# Allegro board mb1260.brd (continued)
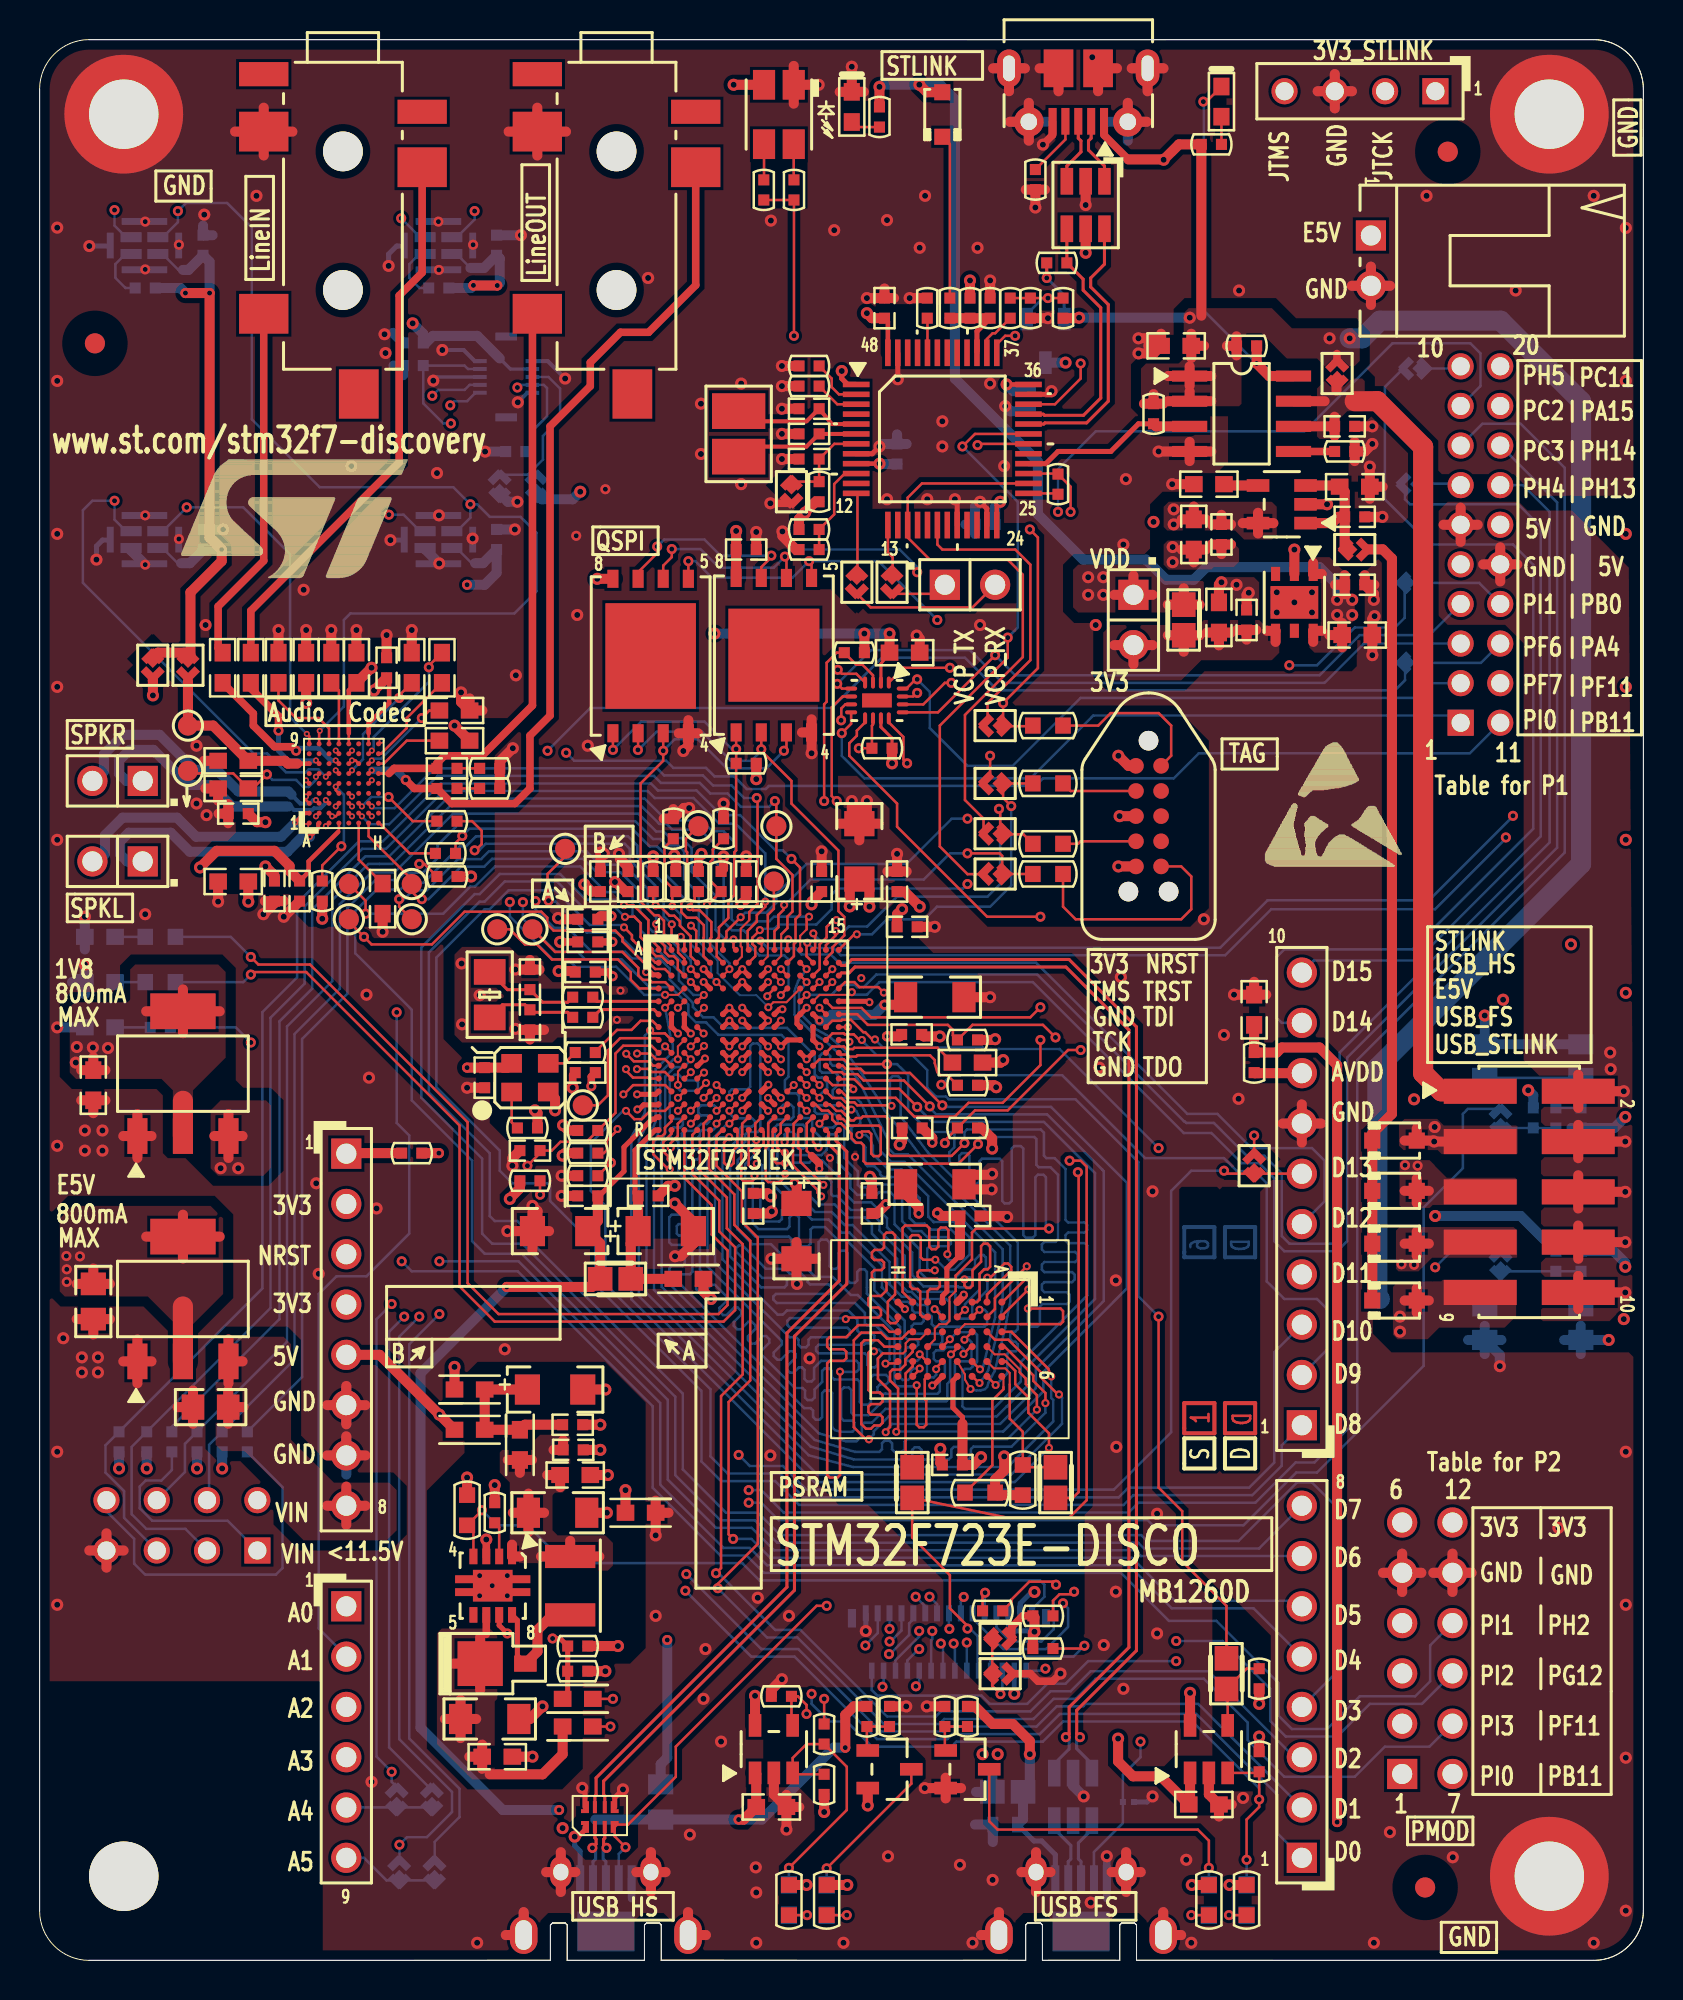
[diagram p0: board, top side]
## Library data of the parts
B1 B2 = TACT_4SM_3R5X5R5
C1 C4-C7 C10 C13 C14 C16 C23 C30 C32 C37 C40-C42 C44 C48 C51-C53 C56 C60 C63 C70 C71 C79-C81 C83-C87 C93 = 0402C: signal model: DEFAULT_CAPACITOR_100000pF_1_2
C2 = 0402C: signal model: DEFAULT_CAPACITOR_10pF_1_2
C3 C17-C19 C21 C22 C24-C26 C28 C29 C31 C35 C50 C54 C77 C78 = 0603C: signal model: DEFAULT_CAPACITOR_100000pF_1_2
C8 C20 = 0603C: signal model: DEFAULT_CAPACITOR_10000pF_1_2
C9 C57 C76 = 0603C: signal model: DEFAULT_CAPACITOR_4.7e+06pF_1_2
C11 = 0603C: signal model: DEFAULT_CAPACITOR_30pF_1_2
C12 C46 C61 = 0402C: signal model: DEFAULT_CAPACITOR_4.7e+06pF_1_2
C15 = 0603C: signal model: DEFAULT_CAPACITOR_20pF_1_2
C27 = 0603C: signal model: DEFAULT_CAPACITOR_1e+07pF_1_2
C33 = 0402C: signal model: DEFAULT_CAPACITOR_2.2e+06pF_2_1
C34 C65-C67 = TAN-A: signal model: DEFAULT_CAPACITOR_100000pF_1_2
C36 C55 = 0402C: signal model: DEFAULT_CAPACITOR_20pF_1_2
C38 C45 = 0402C: signal model: DEFAULT_CAPACITOR_2.2e+06pF_1_2
C39 = 0402C: signal model: DEFAULT_CAPACITOR_1e+07pF_1_2
C43 = 0603C: signal model: DEFAULT_CAPACITOR_2.2e+06pF_2_1
C47 = 0402C: signal model: DEFAULT_CAPACITOR_10000pF_1_2
C49 = 1206C: signal model: DEFAULT_CAPACITOR_4.7e+06pF_1_2
C58 C73 = 1206C: signal model: DEFAULT_CAPACITOR_100000pF_1_2
C59 C62 C69 = 0402C: signal model: DEFAULT_CAPACITOR_1e+06pF_1_2
C64 = TAN-A: signal model: DEFAULT_CAPACITOR_1e+07pF_1_2
C68 = 0805C: signal model: DEFAULT_CAPACITOR_100000pF_1_2
C72 C92 = 0603C: signal model: DEFAULT_CAPACITOR_1e+06pF_1_2
C74 = 0805C: signal model: DEFAULT_CAPACITOR_2.2e+06pF_2_1
C75 = 1206C: signal model: DEFAULT_CAPACITOR_10pF_1_2
C82 = 0402C: signal model: DEFAULT_CAPACITOR_6.7pF_1_2
CN1 = MICRO_USB_B_105017
CN2 = HDR_1X4_2R54
CN3 = HDR_1X2_2R54_RA_11R35
CN4 CN5 = PJ3028B
CN6 CN7 CN10 JP1 = SIP2
CN8 = TSM-105-01-S-DV
CN9 = TC2050-IDC-NL
CN11 = HDR_1X10_2R54_W
CN12 CN13 = HDR_1X8_2R54_W
CN14 = HDR_2X4_2R54
CN15 = HDR_1X6_2R54_W
CN16 = DF37NB-10DS-0R4V
CN17 = FH26-29S-0R3SHW
CN18 CN19 = MOLEX_47590001
D1-D5 = SOD-323
H1 H2 H4 = HOLE_C6D3R5
L1-L5 L7 L8 = 0603L
L6 = 1210L
LD1-LD3 LD5-LD10 = 0603D
LD4 = LED2_3528
P1 = SQT-110-01-F-D-RA
P2 = SSW-106-02-F-D-RA
R1 = 0402R: signal model: DEFAULT_RESISTOR_1000OHM_2_1
R2 R4 R23 R53 R58 R80 R96 R101 = 0402R: signal model: DEFAULT_RESISTOR_0.001OHM_1_2
R3 R5 R24 R25 R31 R42 R44 R52 R54 R59-R61 R67 R68 R70 R76 R77 R85 R90 R94 R97 = 0402R: signal model: DEFAULT_RESISTOR_33OHM_1_2
R6 = 0402R: signal model: DEFAULT_RESISTOR_680OHM_1_2
R7 = 0402R: signal model: DEFAULT_RESISTOR_4870OHM_1_2
R8 R35 R39 R46 = 0402R: signal model: DEFAULT_RESISTOR_50OHM_1_2
R9 = 0402R: signal model: DEFAULT_RESISTOR_47OHM_1_2
R10 = 0402R: signal model: DEFAULT_RESISTOR_1500OHM_1_2
R11-R13 R17 R18 R29 R30 R36 R37 R43 R45 R49-R51 R55-R57 R69 R102 = 0402R: signal model: DEFAULT_RESISTOR_10000OHM_1_2
R14 = 0402R: signal model: DEFAULT_RESISTOR_330OHM_2_1
R15 = 0402R: signal model: DEFAULT_RESISTOR_240OHM_1_2
R16 R21 R26 R74 R75 = 0402R
R19 = 0402R: signal model: DEFAULT_RESISTOR_10000OHM_2_1
R20 R33 R93 = 0402R: signal model: 0402R_33
R22 = 0402R: signal model: DEFAULT_RESISTOR_47000OHM_1_2
R27 R62 R65 R72 = 0603R-GS: signal model: DEFAULT_RESISTOR_10000OHM_1_2
R28 = R0603: signal model: DEFAULT_RESISTOR_0.001OHM_1_2
R32 = R0603: signal model: DEFAULT_RESISTOR_2200OHM_1_2
R38 R40 = R0603: signal model: DEFAULT_RESISTOR_680OHM_1_2
R41 R86 R92 = 0402R: signal model: DEFAULT_RESISTOR_220000OHM_1_2
R47 = 0603R: signal model: 0603R_33
R48 R63 R81 = 0603R: signal model: DEFAULT_RESISTOR_33OHM_1_2
R64 = 0603R-GS: signal model: DEFAULT_RESISTOR_33OHM_1_2
R66 R84 = 0603R: signal model: DEFAULT_RESISTOR_0.001OHM_1_2
R71 R79 R89 R91 = 0402R: signal model: 0603R_[n/a]
R73 = 0402R: signal model: DEFAULT_RESISTOR_820OHM_1_2
R78 = 0402R: signal model: DEFAULT_RESISTOR_100000OHM_1_2
R82 R100 = 0603R
R83 = 0603R: signal model: DEFAULT_RESISTOR_10000OHM_1_2
R95 = 0402R: signal model: 0603R_33
R98 = 0805R: signal model: DEFAULT_RESISTOR_0.001OHM_1_2
R99 = 0603R-GS
SB1 SB2 SB4 SB5 SB10 SB11 SB15 SB16 SB25 SB28 SB33 SB35 SB36 = JP2_SMD
SB3 SB6-SB9 SB12-SB14 SB27 SB29 SB34 SB37 SB38 = JP2_SMD: signal model: SB_0603_Closed
T1-T3 = SOT-23
TP1-TP8 TP11-TP15 = TP_C40
U1 = SOIC8_1R27_4R9X6
U2 = LQFP48_0R5_9X9
U3 = SOT-23-5L
U4 = DFN6_0R95_3X3
U5 = SON8_1R27_6X8
U6 = DFN8_1R27_6X8_TP4R6X5R3
U7 = BGA72_0R5_4R5X4
U8 = BGA176_0R65_10X10
U9 U11 = SOT-223
U10 = FBGA48_0R75_6X8
U12 = SON8_0R65_3X3
U13 U14 = SOT23-5
U15 = QFN8_0R5_2R5X1R2
U16-U19 = MP34DT01TR
U20 = QFN16_0R4_2R5X1R7
U21 U22 = SOT23-6
U23 = D0201_21
U24 = DO_2SM_1R6X1_21
X1 = XTAL_2SM_3R2X2R5_H1
X2 = XTAL_2SM_3R2X1R5
X3 = OSC_4SM_2R5X2
Z1 = DO-216AA

## Footprints (pads in the part's own frame, mm; a bottom-side part is the same pattern mirrored in y, then rotated)
0402C
  rect 0.559x0.559 smd: 1(-0.508,0) 2(0.508,0)
0402R
  rect 0.559x0.559 smd: 1(-0.508,0) 2(0.508,0)
0603C
  rect 0.889x0.813 smd: 1(-0.762,0) 2(0.762,0)
0603D
  rect 0.889x0.813 smd: 1(-0.762,0) 2(0.762,0)
0603L
  rect 0.889x0.813 smd: 1(-0.762,0) 2(0.762,0)
0603R
  rect 0.787x0.813 smd: 1(-0.762,0) 2(0.762,0)
0603R-GS
  rect 1.245x1.194 smd: 1(-0.775,0) 2(0.775,0)
0805C
  rect 1.143x1.27 smd: 1(-0.889,0) 2(0.889,0)
0805R
  rect 1.016x1.27 smd: 1(-0.889,0) 2(0.889,0)
1206C
  rect 1.168x1.524 smd: 1(-1.473,0) 2(1.473,0)
1210L
  rect 1.168x2.54 smd: 1(-1.473,0) 2(1.473,0)
BGA72_0R5_4R5X4
  round 0.249 smd: A1(-2,1.75) A2(-1.5,1.75) A3(-1,1.75) A4(-0.5,1.75) A5(0,1.75) A6(0.5,1.75) A7(1,1.75) A8(1.5,1.75) A9(2,1.75) B1(-2,1.25) B2(-1.5,1.25) B3(-1,1.25) B4(-0.5,1.25) B5(0,1.25) B6(0.5,1.25) B7(1,1.25) B8(1.5,1.25) B9(2,1.25) C1(-2,0.75) C2(-1.5,0.75) C3(-1,0.75) C4(-0.5,0.75) C5(0,0.75) C6(0.5,0.75) C7(1,0.75) C8(1.5,0.75) C9(2,0.75) D1(-2,0.25) D2(-1.5,0.25) D3(-1,0.25) D4(-0.5,0.25) D5(0,0.25) D6(0.5,0.25) D7(1,0.25) D8(1.5,0.25) D9(2,0.25) E1(-2,-0.25) E2(-1.5,-0.25) E3(-1,-0.25) E4(-0.5,-0.25) E5(0,-0.25) E6(0.5,-0.25) E7(1,-0.25) E8(1.5,-0.25) E9(2,-0.25) F1(-2,-0.75) F2(-1.5,-0.75) F3(-1,-0.75) F4(-0.5,-0.75) F5(0,-0.75) F6(0.5,-0.75) F7(1,-0.75) F8(1.5,-0.75) F9(2,-0.75) G1(-2,-1.25) G2(-1.5,-1.25) G3(-1,-1.25) G4(-0.5,-1.25) G5(0,-1.25) G6(0.5,-1.25) G7(1,-1.25) G8(1.5,-1.25) G9(2,-1.25) H1(-2,-1.75) H2(-1.5,-1.75) H3(-1,-1.75) H4(-0.5,-1.75) H5(0,-1.75) H6(0.5,-1.75) H7(1,-1.75) H8(1.5,-1.75) H9(2,-1.75)
BGA176_0R65_10X10
  round 0.305 smd: A1(-4.55,4.55) A2(-3.9,4.55) A3(-3.25,4.55) A4(-2.6,4.55) A5(-1.95,4.55) A6(-1.3,4.55) A7(-0.65,4.55) A8(0,4.55) A9(0.65,4.55) A10(1.3,4.55) A11(1.95,4.55) A12(2.6,4.55) A13(3.25,4.55) A14(3.9,4.55) A15(4.55,4.55) B1(-4.55,3.9) B2(-3.9,3.9) B3(-3.25,3.9) B4(-2.6,3.9) B5(-1.95,3.9) B6(-1.3,3.9) B7(-0.65,3.9) B8(0,3.9) B9(0.65,3.9) B10(1.3,3.9) B11(1.95,3.9) B12(2.6,3.9) B13(3.25,3.9) B14(3.9,3.9) B15(4.55,3.9) C1(-4.55,3.25) C2(-3.9,3.25) C3(-3.25,3.25) C4(-2.6,3.25) C5(-1.95,3.25) C6(-1.3,3.25) C7(-0.65,3.25) C8(0,3.25) C9(0.65,3.25) C10(1.3,3.25) C11(1.95,3.25) C12(2.6,3.25) C13(3.25,3.25) C14(3.9,3.25) C15(4.55,3.25) D1(-4.55,2.6) D2(-3.9,2.6) D3(-3.25,2.6) D4(-2.6,2.6) D5(-1.95,2.6) D6(-1.3,2.6) D7(-0.65,2.6) D8(0,2.6) D9(0.65,2.6) D10(1.3,2.6) D11(1.95,2.6) D12(2.6,2.6) D13(3.25,2.6) D14(3.9,2.6) D15(4.55,2.6) E1(-4.55,1.95) E2(-3.9,1.95) E3(-3.25,1.95) E4(-2.6,1.95) E12(2.6,1.95) E13(3.25,1.95) E14(3.9,1.95) E15(4.55,1.95) F1(-4.55,1.3) F2(-3.9,1.3) F3(-3.25,1.3) F4(-2.6,1.3) F6(-1.3,1.3) F7(-0.65,1.3) F8(0,1.3) F9(0.65,1.3) F10(1.3,1.3) F12(2.6,1.3) F13(3.25,1.3) F14(3.9,1.3) F15(4.55,1.3) G1(-4.55,0.65) G2(-3.9,0.65) G3(-3.25,0.65) G4(-2.6,0.65) G6(-1.3,0.65) G7(-0.65,0.65) G8(0,0.65) G9(0.65,0.65) G10(1.3,0.65) G12(2.6,0.65) G13(3.25,0.65) G14(3.9,0.65) G15(4.55,0.65) H1(-4.55,0) H2(-3.9,0) H3(-3.25,0) H4(-2.6,0) H6(-1.3,0) H7(-0.65,0) H8(0,0) H9(0.65,0) H10(1.3,0) H12(2.6,0) H13(3.25,0) H14(3.9,0) H15(4.55,0) J1(-4.55,-0.65) J2(-3.9,-0.65) J3(-3.25,-0.65) J4(-2.6,-0.65) J6(-1.3,-0.65) J7(-0.65,-0.65) J8(0,-0.65) J9(0.65,-0.65) J10(1.3,-0.65) J12(2.6,-0.65) J13(3.25,-0.65) J14(3.9,-0.65) J15(4.55,-0.65) K1(-4.55,-1.3) K2(-3.9,-1.3) K3(-3.25,-1.3) K4(-2.6,-1.3) K6(-1.3,-1.3) K7(-0.65,-1.3) K8(0,-1.3) K9(0.65,-1.3) K10(1.3,-1.3) K12(2.6,-1.3) K13(3.25,-1.3) K14(3.9,-1.3) K15(4.55,-1.3) L1(-4.55,-1.95) L2(-3.9,-1.95) L3(-3.25,-1.95) L4(-2.6,-1.95) L12(2.6,-1.95) L13(3.25,-1.95) L14(3.9,-1.95) L15(4.55,-1.95) M1(-4.55,-2.6) M2(-3.9,-2.6) M3(-3.25,-2.6) M4(-2.6,-2.6) M5(-1.95,-2.6) M6(-1.3,-2.6) M7(-0.65,-2.6) M8(0,-2.6) M9(0.65,-2.6) M10(1.3,-2.6) M11(1.95,-2.6) M12(2.6,-2.6) M13(3.25,-2.6) M14(3.9,-2.6) M15(4.55,-2.6) N1(-4.55,-3.25) N2(-3.9,-3.25) N3(-3.25,-3.25) N4(-2.6,-3.25) N5(-1.95,-3.25) N6(-1.3,-3.25) N7(-0.65,-3.25) N8(0,-3.25) N9(0.65,-3.25) N10(1.3,-3.25) N11(1.95,-3.25) N12(2.6,-3.25) N13(3.25,-3.25) N14(3.9,-3.25) N15(4.55,-3.25) P1(-4.55,-3.9) P2(-3.9,-3.9) P3(-3.25,-3.9) P4(-2.6,-3.9) P5(-1.95,-3.9) P6(-1.3,-3.9) P7(-0.65,-3.9) P8(0,-3.9) P9(0.65,-3.9) P10(1.3,-3.9) P11(1.95,-3.9) P12(2.6,-3.9) P13(3.25,-3.9) P14(3.9,-3.9) P15(4.55,-3.9) R1(-4.55,-4.55) R2(-3.9,-4.55) R3(-3.25,-4.55) R4(-2.6,-4.55) R5(-1.95,-4.55) R6(-1.3,-4.55) R7(-0.65,-4.55) R8(0,-4.55) R9(0.65,-4.55) R10(1.3,-4.55) R11(1.95,-4.55) R12(2.6,-4.55) R13(3.25,-4.55) R14(3.9,-4.55) R15(4.55,-4.55)
D0201_21
  rect 0.305x0.305 smd: 1(-0.28,0) 2(0.28,0)
DF37NB-10DS-0R4V
  rect 0.203x0.686 smd: 1(0.8,-1.325) 2(0.4,-1.325) 3(0,-1.325) 4(-0.4,-1.325) 5(-0.8,-1.325) 6(-0.8,1.325) 7(-0.4,1.325) 8(0,1.325) 9(0.4,1.325) 10(0.8,1.325)
  rect 0.406x1.092 smd: 11(-2.04,0) 12(2.04,0)
DFN6_0R95_3X3
  rect 0.457x0.711 smd: 1(-0.95,-1.436) 2(0,-1.436) 3(0.95,-1.436) 4(0.95,1.436) 5(0,1.436) 6(-0.95,1.436)
  rect 2.413x1.651 smd: 7(0,0)
DFN8_1R27_6X8_TP4R6X5R3
  rect 0.559x0.914 smd: 1(-1.905,-3.9) 2(-0.635,-3.9) 3(0.635,-3.9) 4(1.905,-3.9) 5(1.905,3.9) 6(0.635,3.9) 7(-0.635,3.9) 8(-1.905,3.9)
  rect 4.572x5.334 smd: 9(0,0)
DO-216AA
  rect 1.143x0.813 smd: 1(0,0)
  rect 2.286x2.261 smd: 2(-2.286,0)
DO_2SM_1R6X1_21
  rect 0.559x0.787 smd: 1(-0.625,0) 2(0.625,0)
FBGA48_0R75_6X8
  round 0.356 smd: A1(-1.875,2.625) A2(-1.125,2.625) A3(-0.375,2.625) A4(0.375,2.625) A5(1.125,2.625) A6(1.875,2.625) B1(-1.875,1.875) B2(-1.125,1.875) B3(-0.375,1.875) B4(0.375,1.875) B5(1.125,1.875) B6(1.875,1.875) C1(-1.875,1.125) C2(-1.125,1.125) C3(-0.375,1.125) C4(0.375,1.125) C5(1.125,1.125) C6(1.875,1.125) D1(-1.875,0.375) D2(-1.125,0.375) D3(-0.375,0.375) D4(0.375,0.375) D5(1.125,0.375) D6(1.875,0.375) E1(-1.875,-0.375) E2(-1.125,-0.375) E3(-0.375,-0.375) E4(0.375,-0.375) E5(1.125,-0.375) E6(1.875,-0.375) F1(-1.875,-1.125) F2(-1.125,-1.125) F3(-0.375,-1.125) F4(0.375,-1.125) F5(1.125,-1.125) F6(1.875,-1.125) G1(-1.875,-1.875) G2(-1.125,-1.875) G3(-0.375,-1.875) G4(0.375,-1.875) G5(1.125,-1.875) G6(1.875,-1.875) H1(-1.875,-2.625) H2(-1.125,-2.625) H3(-0.375,-2.625) H4(0.375,-2.625) H5(1.125,-2.625) H6(1.875,-2.625)
FH26-29S-0R3SHW
  rect 0.406x0.94 smd: (-4.9,-1.2) (4.9,-1.2)
  rect 0.305x0.813 smd: 1(-4.2,-1.45) 3(-3.6,-1.45) 5(-3,-1.45) 7(-2.4,-1.45) 9(-1.8,-1.45) 11(-1.2,-1.45) 13(-0.6,-1.45) 15(0,-1.45) 17(0.6,-1.45) 19(1.2,-1.45) 21(1.8,-1.45) 23(2.4,-1.45) 25(3,-1.45) 27(3.6,-1.45) 29(4.2,-1.45)
  rect 0.279x0.813 smd: 2(-3.9,1.45) 4(-3.3,1.45) 6(-2.7,1.45) 8(-2.1,1.45) 10(-1.5,1.45) 12(-0.9,1.45) 14(-0.3,1.45) 16(0.3,1.45) 18(0.9,1.45) 20(1.5,1.45) 22(2.1,1.45) 24(2.7,1.45) 26(3.3,1.45) 28(3.9,1.45)
HDR_1X2_2R54_RA_11R35
  rect 1.524x1.524 hole 1.016: 1(0,0)
  round 1.524 hole 1.016: 2(-2.54,0)
HDR_1X4_2R54
  rect 1.321x1.321 hole 0.914: 1(0,0)
  round 1.321 hole 0.914: 2(2.54,0) 3(5.08,0) 4(7.62,0)
HDR_1X6_2R54_W
  rect 1.524x1.524 hole 1.016: 1(0,0)
  round 1.524 hole 1.016: 2(2.54,0) 3(5.08,0) 4(7.62,0) 5(10.16,0) 6(12.7,0)
HDR_1X8_2R54_W
  rect 1.524x1.524 hole 1.016: 1(0,0)
  round 1.524 hole 1.016: 2(2.54,0) 3(5.08,0) 4(7.62,0) 5(10.16,0) 6(12.7,0) 7(15.24,0) 8(17.78,0)
HDR_1X10_2R54_W
  rect 1.524x1.524 hole 1.016: 1(0,0)
  round 1.524 hole 1.016: 2(2.54,0) 3(5.08,0) 4(7.62,0) 5(10.16,0) 6(12.7,0) 7(15.24,0) 8(17.78,0) 9(20.32,0) 10(22.86,0)
HDR_2X4_2R54
  rect 1.321x1.321 hole 0.914: 1(0,0)
  round 1.321 hole 0.914: 2(0,2.54) 3(2.54,0) 4(2.54,2.54) 5(5.08,0) 6(5.08,2.54) 7(7.62,0) 8(7.62,2.54)
HOLE_C6D3R5
  round 5.994 hole 3.505: 1(0,0)
JP2_SMD
  round 0.152 smd: 1(-0.584,-0.008) 2(0.402,-0.03)
LED2_3528
  rect 1.118x1.499 smd: 1(-0.75,-1.5) 2(-0.75,1.5) 3(0.75,1.5) 4(0.75,-1.5)
LQFP48_0R5_9X9
  rect 1.346x0.279 smd: 1(-4.35,2.75) 2(-4.35,2.25) 3(-4.35,1.75) 4(-4.35,1.25) 5(-4.35,0.75) 6(-4.35,0.25) 7(-4.35,-0.25) 8(-4.35,-0.75) 9(-4.35,-1.25) 10(-4.35,-1.75) 11(-4.35,-2.25) 12(-4.35,-2.75) 25(4.35,-2.75) 26(4.35,-2.25) 27(4.35,-1.75) 28(4.35,-1.25) 29(4.35,-0.75) 30(4.35,-0.25) 31(4.35,0.25) 32(4.35,0.75) 33(4.35,1.25) 34(4.35,1.75) 35(4.35,2.25) 36(4.35,2.75)
  rect 0.279x1.346 smd: 13(-2.75,-4.35) 14(-2.25,-4.35) 15(-1.75,-4.35) 16(-1.25,-4.35) 17(-0.75,-4.35) 18(-0.25,-4.35) 19(0.25,-4.35) 20(0.75,-4.35) 21(1.25,-4.35) 22(1.75,-4.35) 23(2.25,-4.35) 24(2.75,-4.35) 37(2.75,4.35) 38(2.25,4.35) 39(1.75,4.35) 40(1.25,4.35) 41(0.75,4.35) 42(0.25,4.35) 43(-0.25,4.35) 44(-0.75,4.35) 45(-1.25,4.35) 46(-1.75,4.35) 47(-2.25,4.35) 48(-2.75,4.35)
MICRO_USB_B_105017
  rect 0.406x1.346 smd: 1(-1.3,0.075) 2(-0.65,0.075) 3(0,0.075) 4(0.65,0.075) 5(1.3,0.075)
  oval 1.194x1.905 hole 0.61x1.295: 6(-3.5,-2.6) 7(3.5,-2.6)
  round 1.499 hole 0.838: 8(-2.5,0.1) 9(2.5,0.1)
  rect 1.499x1.905 smd: 10(-1,-2.6) 11(1,-2.6)
MOLEX_47590001
  rect 0.406x1.346 smd: 1(1.3,0) 2(0.65,0) 3(0,0) 4(-0.65,0) 5(-1.3,0)
  oval 1.067x1.6 hole 0.762x0.838: 6(2.275,0.325) 7(-2.275,0.325)
  oval 1.397x1.905 hole 0.838x1.499: 8(-4.15,-2.855) 9(4.15,-2.855)
  rect 2.896x2.007 smd: 10(0,-2.675)
MP34DT01TR
  rect 0.508x1.067 smd: 1(-0.425,0.675) 2(-0.425,-0.675) 3(0.425,-0.675) 4(0.425,0.675)
  round 0.152 smd: 5(-0.025,-1.753)
OSC_4SM_2R5X2
  rect 1.041x0.94 smd: 1(-0.925,-0.725) 2(0.925,-0.725) 3(0.925,0.725) 4(-0.925,0.725)
PJ3028B
  round 2.007 hole 2.007 unplated: (0,0) (7,0)
  rect 1.219x2.489 smd: 2(-3.9,-4) 7(-2,4)
  rect 2.007x2.489 smd: 3(-1,-4) 4(0.8,4) 6(8.2,-4)
  rect 2.489x2.007 smd: 5(12.25,0.8)
QFN8_0R5_2R5X1R2
  custom 0.4x0.6 smd: 1(-0.75,-0.5) 4(0.75,-0.5) 5(0.75,0.5) 8(-0.75,0.5)
  rect 0.203x0.61 smd: 2(-0.25,-0.5) 3(0.25,-0.5) 6(0.25,0.5) 7(-0.25,0.5)
QFN16_0R4_2R5X1R7
  oval 0.203x0.61 smd: 1(-0.6,-0.905) 2(-0.2,-0.905) 3(0.2,-0.905) 4(0.6,-0.905) 9(0.6,0.905) 10(0.2,0.905) 11(-0.2,0.905) 12(-0.6,0.905)
  oval 0.61x0.203 smd: 5(1.305,-0.6) 6(1.305,-0.2) 7(1.305,0.2) 8(1.305,0.6) 13(-1.305,0.6) 14(-1.305,0.2) 15(-1.305,-0.2) 16(-1.305,-0.6)
  rect 1.499x0.711 smd: 17(0,0)
R0603
  rect 0.787x0.813 smd: 1(-0.762,0) 2(0.762,0)
SIP2
  rect 1.524x1.524 hole 1.016: 1(0,0)
  round 1.524 hole 1.016: 2(2.54,0)
SOD-323
  rect 0.813x0.813 smd: 1(1.125,0) 2(-1.125,0)
SOIC8_1R27_4R9X6
  rect 0.559x1.778 smd: 1(-1.905,-2.624) 2(-0.635,-2.624) 3(0.635,-2.624) 4(1.905,-2.624) 5(1.905,2.624) 6(0.635,2.624) 7(-0.635,2.624) 8(-1.905,2.624)
SON8_0R65_3X3
  rect 0.406x0.787 smd: 1(-0.975,-1.475) 2(-0.325,-1.475) 3(0.325,-1.475) 4(0.975,-1.475) 5(0.975,1.475) 6(0.325,1.475) 7(-0.325,1.475) 8(-0.975,1.475)
  custom 3.8x1.6 smd: 9(0,0)
SON8_1R27_6X8
  rect 0.559x0.914 smd: 1(-1.905,-3.9) 2(-0.635,-3.9) 3(0.635,-3.9) 4(1.905,-3.9) 5(1.905,3.9) 6(0.635,3.9) 7(-0.635,3.9) 8(-1.905,3.9)
  rect 4.597x4.699 smd: 9(0,0)
SOT23-5
  rect 0.635x1.143 smd: 1(-0.95,-1.2) 2(0,-1.2) 3(0.95,-1.2) 4(0.95,1.2) 5(-0.95,1.2)
SOT23-6
  rect 0.635x1.346 smd: 1(-0.95,-1.2) 2(0,-1.2) 3(0.95,-1.2) 4(0.95,1.2) 5(0,1.2) 6(-0.95,1.2)
SOT-23
  rect 1.143x0.635 smd: 1(1.1,-0.95) 2(1.1,0.95) 3(-1.1,0)
SOT-23-5L
  rect 0.635x1.143 smd: 1(-0.95,-1.2) 2(0,-1.2) 3(0.95,-1.2) 4(0.95,1.2) 5(-0.95,1.2)
SOT-223
  rect 1.803x1.016 smd: 1(3.15,-2.3) 2(3.15,0) 3(3.15,2.3)
  rect 1.803x3.302 smd: 4(-3.15,0)
SQT-110-01-F-D-RA
  rect 1.321x1.321 hole 0.914: 1(9,1)
  round 1.321 hole 0.914: 2(7,1) 3(5,1) 4(3,1) 5(1,1) 6(-1,1) 7(-3,1) 8(-5,1) 9(-7,1) 10(-9,1) 11(9,-1) 12(7,-1) 13(5,-1) 14(3,-1) 15(1,-1) 16(-1,-1) 17(-3,-1) 18(-5,-1) 19(-7,-1) 20(-9,-1)
SSW-106-02-F-D-RA
  rect 1.524x1.524 hole 1.016: 1(0,0)
  round 1.524 hole 1.016: 2(-2.54,0) 3(-5.08,0) 4(-7.62,0) 5(-10.16,0) 6(-12.7,0) 7(0,-2.54) 8(-2.54,-2.54) 9(-5.08,-2.54) 10(-7.62,-2.54) 11(-10.16,-2.54) 12(-12.7,-2.54)
TACT_4SM_3R5X5R5
  rect 1.016x1.27 smd: 1(0.85,-2.425) 2(-0.85,-2.425) 3(0.85,2.425) 4(-0.85,2.425)
TAN-A
  rect 1.27x1.524 smd: 1(1.397,0) 2(-1.397,0)
TC2050-IDC-NL
  round 0.991 hole 0.991 unplated: (-3.81,0) (3.81,1.015) (3.81,-1.015)
  round 0.787 smd: 1(-2.54,-0.635) 2(-1.27,-0.635) 3(0,-0.635) 4(1.27,-0.635) 5(2.54,-0.635) 6(2.54,0.635) 7(1.27,0.635) 8(0,0.635) 9(-1.27,0.635) 10(-2.54,0.635)
TP_C40
  round 1.016 smd: 1(0,0)
TSM-105-01-S-DV
  rect 1.27x3.683 smd: 1(-5.08,-2.475) 2(-5.08,2.475) 3(-2.54,-2.475) 4(-2.54,2.475) 5(0,-2.475) 6(0,2.475) 7(2.54,-2.475) 8(2.54,2.475) 9(5.08,-2.475) 10(5.08,2.475)
unnamed#2
  round 1.016 smd: (0,0)
XTAL_2SM_3R2X1R5
  rect 1.295x1.6 smd: 1(-1.15,0) 2(1.15,0)
XTAL_2SM_3R2X2R5_H1
  rect 1.803x2.692 smd: 1(-1.15,0) 2(1.15,0)

## Nets
1V8: C20.1 C23.1 C42.1 C57.2 U7.D1 U7.D8 U7.G9 U9.2 U9.4
3V3: B1.1 B1.3 C2.1 C13.2 C15.2 C16.2 C22.1 C33.1 C35.2 C41.1 C55.2 C63.2 C71.2 C92.1 CN12.2 CN12.4 CN14.2 CN16.9 CN17.26 JP1.2 L2.1 P2.6 P2.12 R27.2 R30.2 R41.1 R42.1 R43.1 R44.1 R45.1 R46.2 R52.1 R55.1 R56.2 R57.2 R59.2 R60.2 R63.2 R71.1 R73.2 R79.2 R80.1 R81.1 R82.2 R83.2 R84.2 R91.2 R93.1 R94.1 R95.1 R96.1 R100.2 R102.2 SB1.1 SB4.2 U4.4 U5.8 U6.8 U7.B2 U7.C2 U7.D2 U7.E9 U9.3 U10.D6 U10.E1 U20.2 X3.4
3V3_ST_LINK: C1.1 C11.2 C12.2 C81.2 C82.2 C83.2 CN2.1 CN9.1 LD4.4 R5.2 R24.2 R25.1 T3.3 U2.1 U2.9 U2.24 U2.36 U2.48 U3.5
5V: C14.2 C17.2 CN8.2 CN8.4 CN8.6 CN8.8 CN8.10 CN12.5 D1.1 L3.1 P1.6 P1.15 R1.1 U4.1 U4.6 U13.5 U14.5
5V_ST_LINK: C5.2 CN8.1 SB3.2 U1.6 U1.7
5V_USB_FS: CN8.7 D3.1 R99.2
5V_USB_HS: C78.1 CN8.3 CN19.1 D5.1 R74.2 R98.2 U13.1 U15.1
5V_USB_ST_LINK: C3.2 CN1.1 CN8.9 D2.1 R2.2 R11.1 R15.2 R20.2 SB3.1 U1.1 U1.2 U21.5
GND: B2.2 B2.4 C1.2 C2.2 C3.1 C4.1 C5.1 C6.1 C7.1 C8.1 C9.1 C10.1 C11.1 C12.1 C13.1 C14.1 C15.1 C16.1 C17.1 C19.1 C20.2 C21.2 C22.2 C23.2 C24.2 C26.2 C28.2 C29.1 C31.1 C33.2 C34.2 C35.1 C36.1 C37.1 C38.1 C39.1 C40.1 C41.2 C42.2 C43.1 C44.1 C45.1 C46.1 C47.1 C48.1 C49.1 C50.1 C51.1 C52.1 C53.1 C54.2 C55.1 C56.1 C57.1 C58.1 C59.1 C60.1 C61.1 C62.1 C63.1 C64.2 C65.2 C66.2 C68.1 C71.1 C74.1 C77.2 C78.2 C79.2 C80.2 C81.1 C82.1 C83.1 C84.2 C85.2 C86.1 C87.1 C92.2 C93.1 CN1.5 CN1.6 CN1.7 CN1.8 CN1.9 CN1.10 CN1.11 CN2.3 CN3.2 CN4.3 CN5.3 CN9.3 CN9.5 CN11.7 CN12.6 CN12.7 CN14.7 CN16.1 CN16.3 CN16.6 CN16.10 CN17.1 CN17.27 CN18.5 CN18.6 CN18.7 CN18.8 CN18.9 CN18.10 CN19.5 CN19.6 CN19.7 CN19.8 CN19.9 CN19.10 H1.1 H2.1 H4.1 L5.1 LD1.2 LD2.2 LD4.1 LD5.2 LD6.2 P1.5 P1.16 P2.5 P2.11 R3.1 R6.1 R8.1 R9.1 R16.1 R17.1 R18.1 R19.1 R21.1 R22.2 R26.1 R29.1 R31.2 R33.2 R36.1 R37.1 R54.2 R61.1 R75.2 R76.1 R89.1 SB2.2 SB6.1 SB16.1 T1.2 T2.2 U1.4 U2.8 U2.20 U2.23 U2.35 U2.47 U3.2 U4.2 U4.7 U5.4 U6.4 U7.A1 U7.A3 U7.A4 U7.A5 U7.C1 U7.D6 U7.E2 U7.E7 U7.E8 U7.F7 U7.G5 U7.H9 U8.D5 U8.D7 U8.D8 U8.D9 U8.F2 U8.F6 U8.F7 U8.F8 U8.F9 U8.F10 U8.F12 U8.G2 U8.G6 U8.G7 U8.G8 U8.G9 U8.G10 U8.G12 U8.H6 U8.H7 U8.H8 U8.H9 U8.H10 U8.H12 U8.J6 U8.J7 U8.J8 U8.J9 U8.J10 U8.K6 U8.K7 U8.K8 U8.K9 U8.K10 U8.M1 U8.M8 U8.M9 U8.N1 U9.1 U10.D1 U10.E6 U10.H1 U11.1 U13.2 U14.2 U15.5 U15.8 U16.5 U17.5 U18.2 U18.5 U19.2 U19.5 U20.11 U21.2 U22.2 U23.2 U24.2 X3.2
V12_OTGPHY: C54.1 U8.J14
VDD: C34.1 C36.2 C37.2 C38.2 C39.2 C40.2 C44.2 C45.2 C46.2 C47.2 C52.2 C53.2 C56.2 C61.2 C62.2 C66.1 CN17.25 JP1.1 L1.1 R27.1 R68.1 R70.1 SB15.1 U8.C1 U8.C5 U8.C7 U8.C8 U8.C9 U8.F3 U8.G3 U8.G13 U8.H13 U8.J12 U8.J13 U8.K4 U8.N8 U8.N9 U8.N10
VDDA: C60.2 C65.1 L1.2 R62.2 U8.R1
VIN: C74.2 CN12.8 U11.3
AIN_1: R25.2 R26.2 U2.10
ARD_A0: CN15.1 U8.P3
ARD_A1: CN15.2 SB28.2 U8.N4
ARD_A2: CN15.3 U8.N5
ARD_A3: CN15.4 U8.L1
ARD_A4: SB35.1 U8.M2
ARD_A5: SB37.1 U8.M3
ARD_D0: CN13.1 U8.R2
ARD_D1: CN13.2 U8.P2
ARD_D2: CN13.3 U8.P5
ARD_D3: CN13.4 U8.B2
ARD_D4: CN13.5 U8.G4
ARD_D5: CN13.6 SB29.2 U8.R5
ARD_D6: CN13.7 U8.B3
ARD_D7: CN13.8 U8.A1
ARD_D8: CN11.1 U8.B1
ARD_D9: CN11.2 U8.M11
ARD_D10: CN11.3 U8.N2
ARD_D11: CN11.4 U8.A6
ARD_D12: CN11.5 U8.A9
ARD_D13: CN11.6 SB14.2 U8.P4
ARD_D14: CN11.9 R59.1 SB27.1 SB36.1 U8.J4
ARD_D15: CN11.10 R60.1 SB25.1 SB38.1 U8.H4
BLGND: C67.2 C69.1 C70.1 C72.1 C73.1 C75.1 C76.1 L5.2 R66.1 R67.1 R69.1 U12.3 U12.9
BOOT0: R36.2 R43.2 U8.D6
BYPASSREG: R61.2 U8.L4
CTP_INT: CN16.2 R21.2 U8.D3
CTP_RST: CN16.7 R18.2 U8.M13
CTP_SCL: CN16.5 R52.2 U8.F15
CTP_SDA: CN16.4 R56.1 U8.M12
DMIC_VDD: C79.1 C80.1 C84.1 C85.1 R85.2 R86.2 SB1.2 SB5.2 U16.1 U17.1 U18.1 U19.1
DMICCLK: U7.C6 U16.3 U17.3 U18.3 U19.3
DMICDAT1: U7.B9 U17.4 U18.4
DMICDAT2: U7.A9 U16.4 U19.4
E5V: C68.2 CN3.1 CN8.5 D4.1 R58.2 U11.2 U11.4
LCD-RS_A0: CN17.21 R101.2
LCD_BL: L7.1 U8.L12
LCD_NE: CN17.22 R70.2 U8.C10
LCD_PSRAM_D0: CN17.18 U8.M14 U10.B6
LCD_PSRAM_D1: CN17.17 U8.L14 U10.C5
LCD_PSRAM_D2: CN17.16 U8.B12 U10.C6
LCD_PSRAM_D3: CN17.15 U8.C12 U10.D5
LCD_PSRAM_D4: CN17.14 U8.R8 U10.E5
LCD_PSRAM_D5: CN17.13 U8.P8 U10.F5
LCD_PSRAM_D6: CN17.12 U8.P9 U10.F6
LCD_PSRAM_D7: CN17.11 U8.R9 U10.G6
LCD_PSRAM_D8: CN17.10 U8.P10 U10.B1
LCD_PSRAM_D9: CN17.9 U8.R10 U10.C1
LCD_PSRAM_D10: CN17.8 U8.N11 U10.C2
LCD_PSRAM_D11: CN17.7 U8.P11 U10.D2
LCD_PSRAM_D12: CN17.6 U8.R11 U10.E2
LCD_PSRAM_D13: CN17.5 U8.P15 U10.F2
LCD_PSRAM_D14: CN17.4 U8.P14 U10.F1
LCD_PSRAM_D15: CN17.3 U8.N15 U10.G1
LCD_PSRAM_NOE: CN17.19 U8.D10 U10.A2
LCD_PSRAM_NWE: CN17.20 R64.1 U8.C11
LCD_RST: CN17.23 R68.2 U8.N12
LCD_TE_INT: CN17.2 U8.G14
LED_STLINK: R13.1 R14.1 U2.30
LEDA: CN17.28 L8.2
LEDK: CN17.29 R66.2 U12.4
MIC_VDD1: C29.2 SB5.1 TP1.1 U7.A7
MIC_VDD2: C31.2 TP2.1 U7.B6
NC1: TP3.1 U8.B5
NC4: TP5.1 U8.B9
NC8: TP14.1 U8.D2
NC10: TP8.1 U8.E4
NC11: TP13.1 U8.D1
NETB1_2: B1.2 B1.4 R89.2 R90.2
NETB2_1: B2.1 B2.3 C87.2 R91.1 SB34.2
NETC8_2: C8.2 U3.4
NETC9_2: C9.2 C10.2 SB7.2 U3.1 U3.3
NETC18_1: C18.1 U7.B7
NETC18_2: C18.2 CN4.4
NETC19_2: C19.2 U7.C9
NETC21_1: C21.1 U7.D9
NETC24_1: C24.1 U7.E6
NETC25_1: C25.1 U7.H8
NETC25_2: C25.2 U7.G8
NETC26_1: C26.1 U7.G7
NETC27_1: C27.1 U7.D7
NETC27_2: C27.2 CN4.6
NETC28_1: C28.1 U7.H7
NETC30_1: C30.1 CN5.6 U7.H6
NETC30_2: C30.2 R31.1
NETC32_1: C32.1 CN5.4 U7.G6
NETC32_2: C32.2 R33.1
NETC43_2: C43.2 U7.F1
NETC48_2: C48.2 R49.1 X2.1
NETC51_2: C51.2 R50.1 X2.2
NETC67_1: C67.1 C69.2 L2.2 L3.2 L4.1
NETC75_2: C75.2 C76.2 L8.1 U12.6 Z1.2
NETC86_2: C86.2 R90.1 SB33.2
NETCN7_1: CN7.1 U7.C3
NETCN7_2: CN7.2 U7.B3
NETCN10_1: CN10.1 U7.B1
NETCN10_2: CN10.2 U7.A2
NETCN11_8: CN11.8 R53.1
NETCN12_1: CN12.1 R58.1
NETCN14_1: CN14.1 R92.2
NETCN14_8: CN14.8 R97.1
NETCN15_5: CN15.5 SB35.2 SB36.2
NETCN15_6: CN15.6 SB37.2 SB38.2
NETCN16_8: CN16.8 SB2.1 SB4.1
NETCN17_24: CN17.24 SB15.2 SB16.2
NETD1_2: D1.2 R4.2
NETD2_2: D2.2 D3.2 D4.2 D5.2 SB7.1
NETL6_2: L6.2 U12.8 Z1.1
NETL7_2: L7.2 R69.2 R71.2 U12.7
NETLD1_1: LD1.1 R12.1
NETLD2_1: LD2.1 R1.2
NETLD3_1: LD3.1 R2.1
NETLD3_2: LD3.2 R15.1 U1.8
NETLD4_2: LD4.2 R14.2
NETLD4_3: LD4.3 R13.2
NETLD5_1: LD5.1 R47.2
NETLD6_1: LD6.1 R48.2
NETLD7_1: LD7.1 R81.2
NETLD7_2: LD7.2 R78.1 R80.2 U13.3
NETLD8_1: LD8.1 R82.1
NETLD8_2: LD8.2 T1.3
NETLD9_1: LD9.1 R83.1
NETLD9_2: LD9.2 T2.3
NETLD10_1: LD10.1 R84.1
NETR3_2: R3.2 U2.44
NETR7_1: R7.1 R8.2 R11.2 T3.1
NETR10_1: R10.1 T3.2
NETR12_2: R12.2 SB14.1
NETR17_2: R17.2 U2.2
NETR19_2: R19.2 U2.3
NETR22_1: R22.1 U1.5
NETR35_2: R35.2 U7.F3
NETR39_2: R39.2 U7.H1
NETR41_2: R41.2 U7.G2
NETR46_1: R46.1 U7.D4 U7.D5
NETR55_2: R55.2 X3.1
NETR63_1: R63.1 R65.2 U10.B5
NETR64_2: R64.2 U10.G5
NETR67_2: R67.2 U12.2
NETR72_2: R72.2 R73.1 U14.4
NETR74_1: R74.1 R75.1 T1.1
NETR76_2: R76.2 R77.1 T2.1
NETR85_1: R85.1 U16.2
NETR86_1: R86.1 U17.2
NETR100_1: R100.1 U10.A6
NRST: C93.2 CN12.3 R28.2 R57.1 SB10.2 SB34.1 U8.J1
OSC_25M: R51.1 X3.3
OSC_IN: C4.2 U2.5 X1.2
OSC_OUT: C6.2 U2.6 X1.1
PC14-OSC32_IN: R49.2 U8.E1
PC15-OSC32_OUT: R50.2 U8.F1
PDRON: R37.2 R45.2 U8.C6
PH0-OSCIN: R51.2 U8.G1
PH1-OSCOUT: TP15.1 U8.H1
PMOD#1: P1.1 P2.1 U20.8
PMOD#2: P1.2 P2.2 U20.16
PMOD#3: P1.3 P2.3 U20.5
PMOD#4: P1.4 P2.4 U20.13
PMOD_GPIO_0: P2.9 U8.B8
PMOD_GPIO_1: P2.10 U8.F4
PMOD_INT: P1.11 P2.7 U8.R13
PMOD_RESET: P1.12 P2.8 U8.R6
PMOD_SEL_0: R102.1 U8.D13 U20.3
PMOD_SEL_1: R29.2 U8.E3 U20.10
PMOD_SPI2_MISO: U8.C14 U20.6
PMOD_SPI2_MOSI: U8.C13 U20.1
PMOD_SPI2_NSS: U8.E14 U20.9
PMOD_SPI2_SCK: U8.D14 U20.14
PMOD_UART7_CTS: U8.L2 U20.7
PMOD_UART7_RTS: U8.L3 U20.12
PMOD_UART7_RXD: U8.K2 U20.4
PMOD_UART7_TXD: U8.K1 U20.15
PSRAM_A0: R101.1 U8.E2 U10.A3
PSRAM_A1: U8.H3 U10.A4
PSRAM_A2: U8.H2 U10.A5
PSRAM_A3: U8.J2 U10.B3
PSRAM_A4: U8.J3 U10.B4
PSRAM_A5: U8.K3 U10.C3
PSRAM_A6: U8.P6 U10.C4
PSRAM_A7: U8.N6 U10.D4
PSRAM_A8: U8.R7 U10.H2
PSRAM_A9: U8.P7 U10.H3
PSRAM_A10: U8.N7 U10.H4
PSRAM_A11: U8.M7 U10.H5
PSRAM_A12: U8.L15 U10.G3
PSRAM_A13: U8.K15 U10.G4
PSRAM_A14: U8.K14 U10.F3
PSRAM_A15: U8.K13 U10.F4
PSRAM_A16: U8.N14 U10.E4
PSRAM_A17: U8.N13 U10.D3
PSRAM_NBL0: U8.A4 U10.A1
PSRAM_NBL1: U8.A3 U10.B2
PSRAM_NE1: R65.1 U8.A11
PWR_ENN: R20.1 U1.3 U2.28
PWR_EXT: R4.1 R5.1 R6.2 U2.39
QSPI_CLK: U5.6 U6.6 U8.M6
QSPI_D0: U5.5 U6.5 U8.F14
QSPI_D1: U5.2 U6.2 U8.B14
QSPI_D2: U5.3 U6.3 U8.A2
QSPI_D3: U5.7 U6.7 U8.M15
QSPI_NCS: R30.1 U5.1 U6.1 U8.B6
REXT_OTGPHY: R54.1 U8.J15
SAI2_FS_A: TP11.1 U7.E3 U8.C2
SAI2_I2C1_SCL: R39.1 R44.2 U8.A5
SAI2_I2C1_SDA: R35.1 R42.2 U8.B4
SAI2_INT: U7.G3 U8.B7
SAI2_MCLK_A: TP6.1 U7.D3 U8.D4
SAI2_SCK_A: TP7.1 U7.G1 U8.C4
SAI2_SD_A: TP12.1 U7.E4 U8.C3
SAI2_SD_B: TP4.1 U7.F2 U8.B10
STLINK_RX: SB9.2 U2.13
STLINK_TX: SB8.2 U2.12
STM_JTCK: CN2.2 U2.37
STM_JTMS: CN2.4 U2.34
STM_RST: C7.2 R24.1 SB6.2 U2.7
STMOD+_ADC_DAC: P1.13 SB28.1
STMOD+_I2C2_SCL: P1.7 SB25.2
STMOD+_I2C2_SDA: P1.10 SB27.2
STMOD+_SPI2_MISOS: P1.9 U8.M4
STMOD+_SPI2_MOSIS: P1.8 U8.M5
STMOD+_TIM2_CH1: P1.19 U8.A13
STMOD+_TIM3_CH3: P1.14 SB29.1
STMOD+_UART4_RXD: P1.18 U8.E13
STMOD+_UART4_RXD_S: P1.20 U8.B13
STMOD+_UART4_TXD: P1.17 U8.E12
SYS_B_USER: SB33.1 U8.N3
SYS_LD_USER1: R47.1 U8.R3
SYS_LD_USER2: R48.1 U8.R4
SYS_STLINK_JTCK: R38.2 SB12.2 U8.A14
SYS_STLINK_JTDO-SWO: R40.2 SB13.2 U8.A10
SYS_STLINK_JTMS: R32.2 SB11.2 U8.A15
T_JTCK: SB12.1 U2.15 U2.26
T_JTMS: R23.1 SB11.1 U2.27
T_NRST: SB10.1 U2.18
T_SWDIO_IN: R23.2 U2.25
T_SWO: SB13.1 U2.31
TAG_NRST: CN9.10 R28.1
TAG_SWCLK: CN9.4 R38.1
TAG_SWDIO: CN9.2 R32.1
TAG_SWO: CN9.6 R40.1
USB_OTGFS_CN_N: CN18.2 U22.6
USB_OTGFS_CN_P: CN18.3 U22.4
USB_OTGFS_ID: CN18.4 U8.D15 U23.1
USB_OTGFS_N: U8.C15 U22.1
USB_OTGFS_OVCR: LD10.2 R79.1 U8.R12 U14.3
USB_OTGFS_P: U8.B15 U22.3
USB_OTGFS_PPWR_EN: R72.1 U8.H14
USB_OTGFS_VBUS: C77.1 CN18.1 R77.2 R99.1 U8.E15 U14.1 U24.1
USB_OTGHS_CN_N: CN19.2 U15.2
USB_OTGHS_CN_P: CN19.3 U15.3
USB_OTGHS_ID: CN19.4 U8.P12 U15.4
USB_OTGHS_N: U8.R14 U15.7
USB_OTGHS_OVCR: R78.2 U8.L13
USB_OTGHS_P: U8.R15 U15.6
USB_OTGHS_PPWR_EN: R16.2 U8.K12 U13.4
USB_OTGHS_VBUS: R98.1 U8.P13
USB_RENUMN: R7.2 U2.38
USB_STLK_CN_N: CN1.2 U21.1
USB_STLK_CN_P: CN1.3 U21.3
USB_STLK_ID: CN1.4 R9.2
USB_STLK_N: U2.32 U21.6
USB_STLK_P: R10.2 U2.33 U21.4
VCAP1: C58.2 U8.M10
VCAP2: C49.2 U8.F13
VCP_RX: CN6.2 SB8.1 U8.G15
VCP_TX: CN6.1 SB9.1 U8.H15
VL: C70.2 C72.2 C73.2 L4.2 L6.1 U12.1
VREF+: C50.2 C59.2 C64.1 R53.2 R62.1 U8.P1
WIFI_CH_PD: CN14.6 R95.2 U8.D11
WIFI_GPIO_0: CN14.3 R93.2 U8.A8
WIFI_GPIO_2: CN14.5 R96.2 U8.B11
WIFI_RST: CN14.4 R94.2 U8.A7
WIFI_RX: R92.1 U8.A12
WIFI_TX: R97.2 U8.D12

Pads without a net: CN4 2 5 7; CN5 2 5 7; CN9 7 8 9; CN16 11 12; U2 4 11 14 16 17 19 21 22 29 40 41 42 43 45 46; U4 3 5; U5 9; U6 9; U7 A6 A8 B4 B5 B8 C4 C5 C7 C8 E1 E5 F4 F5 F6 F8 F9 G4 H2 H3 H4 H5; U10 E3 G2 H6; U12 5; U20 17; U22 5

## Via types
v1: diameter 0.406, hole 0.203, TOP to BOTTOM, 196 vias
v2: diameter 0.508, hole 0.254, TOP to BOTTOM, 231 vias
v3: diameter 0.305, hole 0.152, TOP to BOTTOM, 35 vias
v4: diameter 0.61, hole 0.305, TOP to BOTTOM, 389 vias

## Routing (per net, layer and track width the routed paths; a pad name or vN(x,y) marks a point on that pad's centre or on a via; arc(x,y) is an arc through that point)
1V8: length 25.4
  TOP w0.127: U7.D8 v3(14.96,61.1) ; 16.62,61.97 U7.G9 ; 15.08,56.99 15.12,57.03 U7.D1
  TOP w0.229: 16.62,61.97 16.62,62.46 17.65,63.5 17.65,64.64 C23.1 ; 15.08,56.99 13.59,55.5 13.59,54.97 C42.1
  TOP w0.508: C42.1 12.62,55.02 12.62,55.27 11.86,56.03 8.94,56.03 v4(8.1,55.19) ; C57.2 2.71,45.61 ; C57.2 2.1,44.96 ; C57.2 3.32,44.96 ; U9.4 7.24,49.04 ; U9.4 7.24,46.82 ; U9.4 5.38,47.93 ; U9.4 9.09,47.93 ; C20.1 v4(13.46,63.5) ; C23.1 v4(16.89,64.14)
  TOP w1.016: 7.24,43.41 U9.2
  vias: v4(1.83,45.34) v4(1.88,46.13) v4(2.69,46.1) v4(3.45,46.08)
3V3: length 103.1
  TOP w0.127: U7.B2 v3(13.96,57.78) ; U7.C2 v3(14.78,57.78) 14.96,57.78 U7.D2 ; 15.62,61.97 U7.E9
  TOP w0.152: U20.2 42.49,65.48 C92.1
  TOP w0.229: C22.1 15.62,64.13 15.62,61.97
  TOP w0.254: 46.48,35.61 45.82,34.95 45.82,33.78 45.6,33.56 U10.E1 ; U10.D6 46.13,29.27 46.13,27.91 46.61,27.43 46.61,27.1
  TOP w0.457: v4(33.43,55.88) 33.27,55.73 R44.1 ; v4(34.54,55.75) 34.54,55.12 R45.1
  TOP w0.508: v4(14.27,52.6) R46.2 ; 60.96,66.7 C16.2 ; C16.2 60.48,67.18 ; C16.2 61.44,67.18 ; v4(11.4,57.48) 10.97,57.48 C33.1 ; R71.1 v4(28.57,14.61) ; v4(48.72,25.45) 48.72,24.74 48.26,24.28 R100.2 48.39,23.5 R63.2 ; R42.1 v4(30.99,55.75) ; 8.83,41.63 U9.3 ; U9.3 10.25,41.63 ; U9.3 9.54,42.74 ; U9.3 9.54,40.52 ; v4(26.42,40.64) 26.54,40.77 R60.2 ; R102.2 v4(41.66,67.01) ; R73.2 v4(61.59,12.95) ; v4(26.44,42.17) 26.7,41.91 R57.2 ; 62.42,66.59 U4.4 61.99,67.14 ; U5.8 v4(35.18,72.19) ; R59.2 24.26,38.99 23.75,38.48 v4(23.75,38.46) ; v4(5.72,63.88) 5.72,64.63 5.71,64.64 ; C15.2 60.17,67.06 ; C15.2 58.95,67.06 ; C15.2 59.56,66.41 ; R79.2 v4(61.59,11.3) ; R30.2 v4(36.2,59.65) ; L2.1 v4(20.95,29.97) ; R56.2 47.57,42.04 48.11,41.5 v4(48.11,41) ; R55.1 25.15,42.8 v4(25.02,42.93) ; 46.48,35.61 C63.2 45.54,37.59 45.36,37.77 45.36,37.74 v2(45.33,37.74) ; R27.2 58.59,66.92 ; R27.2 57.78,66.09 ; R27.2 56.98,66.92 ; 46.61,27.1 C71.2 47.16,25.02 v4(47.55,25.41) ; v4(11.4,55.24) 11.86,54.79 C41.1 ; C35.2 v4(10.54,53.47) ; X3.4 23.62,45.09 C55.2 v2(21.59,45.09) ; R43.1 32.13,55.73 v4(32.05,55.8) ; v4(21.79,54.74) R41.1 ; U6.8 v4(28.16,69.77) ; JP1.2 56.21,66.42 ; JP1.2 54.28,66.42 ; JP1.2 55.24,65.46 ; C22.1 v4(16.76,65.28) ; R82.2 v4(40.79,3.81) ; R84.2 v4(60.1,3.81) ; v4(48.26,46.52) 48.22,46.48 R52.1 ; R81.1 v4(38.73,3.81) ; R80.1 v4(39.62,7.49) ; v4(42.93,67.01) C92.1 ; R83.2 v4(58.19,3.81)
  BOTTOM w0.165: CN16.9 23.78,80.36 23.24,80.9
  BOTTOM w0.254: v4(49.23,13.46) CN17.26
  BOTTOM w0.508: B1.3 B1.1 v4(72.99,47.71) ; R93.1 v4(5.41,24.84) ; 23.24,80.9 22.1,82.04 19.86,82.04 19.5,81.68 C2.1 19.38,82.14 v4(18.84,82.67) ; R91.2 74.8,37.59 v4(70.48,37.59) ; R96.1 v4(4.01,24.84) ; v4(34.09,67.01) v4(41.66,67.01) v4(42.93,67.01) ; SB4.2 25.37,73.79 26.92,73.79 v4(27.3,74.17) ; R94.1 v4(9.22,24.84) ; R95.1 v4(7.95,24.84)
  vias: v4(9.14,40.01) v4(10.03,40.01)
3V3_ST_LINK: length 36.3
  TOP w0.229: U2.48 42.84,82.76 C1.1 ; U2.36 v4(48.84,79.59) ; v4(48.51,73.66) 48.34,73.49 U2.24 ; U2.9 v4(42.42,75.59)
  TOP w0.254: v4(40.51,80.26) 40.51,79.88 40.81,79.59 U2.1
  TOP w0.508: 46.99,83.95 v4(46.99,84.84) ; LD4.4 v4(35.05,94.72) ; 59.21,72.52 C12.2 ; C12.2 60.17,72.52 ; C12.2 59.69,73 ; U3.5 62.31,72.58 ; U3.5 61.54,72.06 ; U3.5 61.54,73.1 ; U3.5 60.76,72.58 ; C11.2 58.9,72.77 ; C11.2 57.68,72.77 ; C11.2 58.29,73.42 ; R25.1 38.35,72.8 v4(38.66,73.1) 38.66,73.13 39.19,73.66 R24.2 ; CN9.1 54.99,60.33 v4(54.48,60.83) ; C1.1 42.04,82.93 v4(41.78,83.19)
  L4_SIG w0.508: v4(56.26,72.64) 56.26,70.48 56.64,70.1 56.64,64.64 54.48,62.48 v4(54.48,60.83)
  BOTTOM w0.508: C81.2 49.18,79.25 v4(48.84,79.59) ; C83.2 48.26,73.41 v4(48.51,73.66) ; v4(42.42,75.59) 42.44,75.56 C82.2 ; T3.3 v4(51.82,80.69)
  vias: v4(57.28,73.28) v4(57.28,72.52)
